# Altium PCB Mouse-Wheel-v2-PCB.PcbDoc
Units mm, origin at the board's own origin, x right, y up, seen from the top; angles counter-clockwise.
Board outline 68.96 x 62.48 mm, 2 copper layers (Top Layer, Bottom Layer); 23 components, 29 nets, 111 pads, 0 vias.
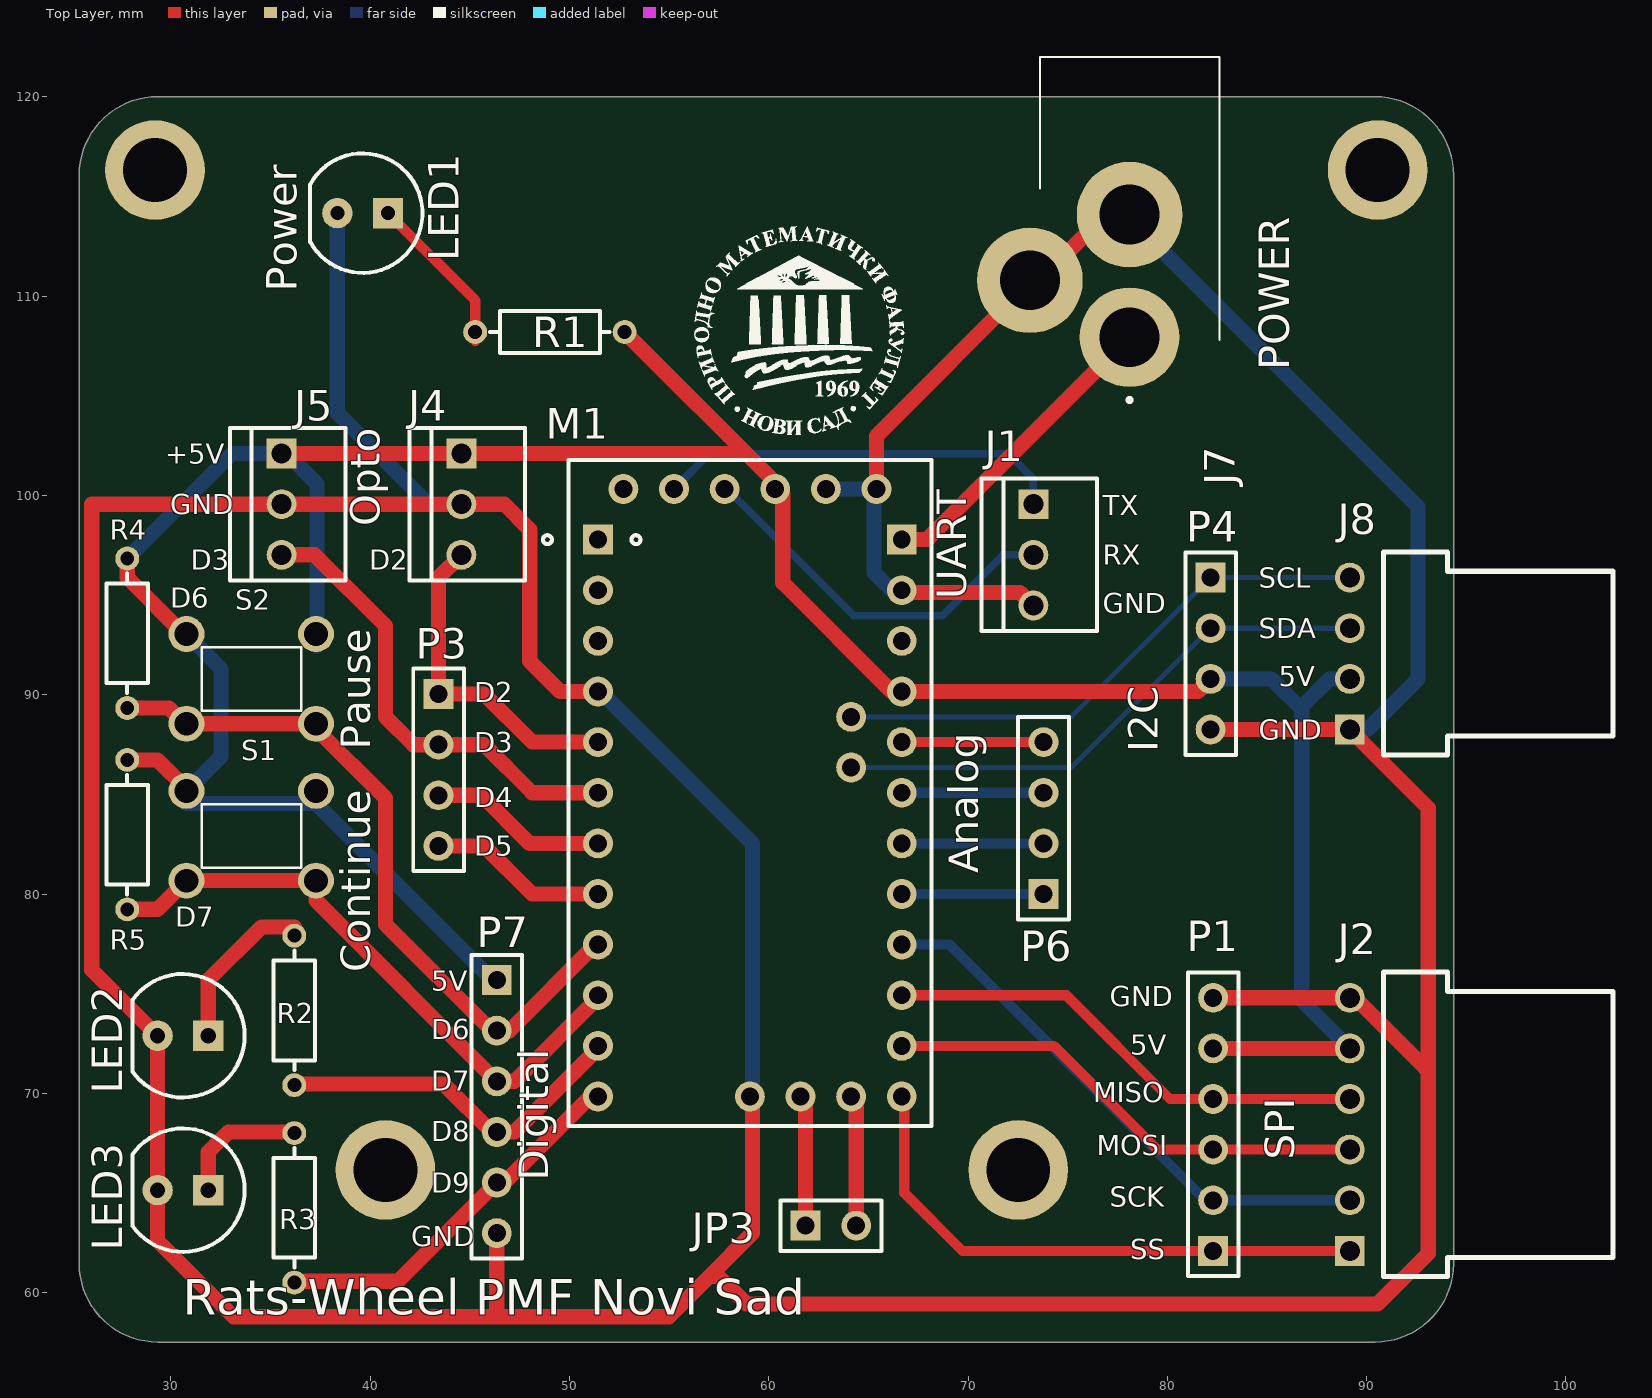
[diagram p0: Top Layer view]
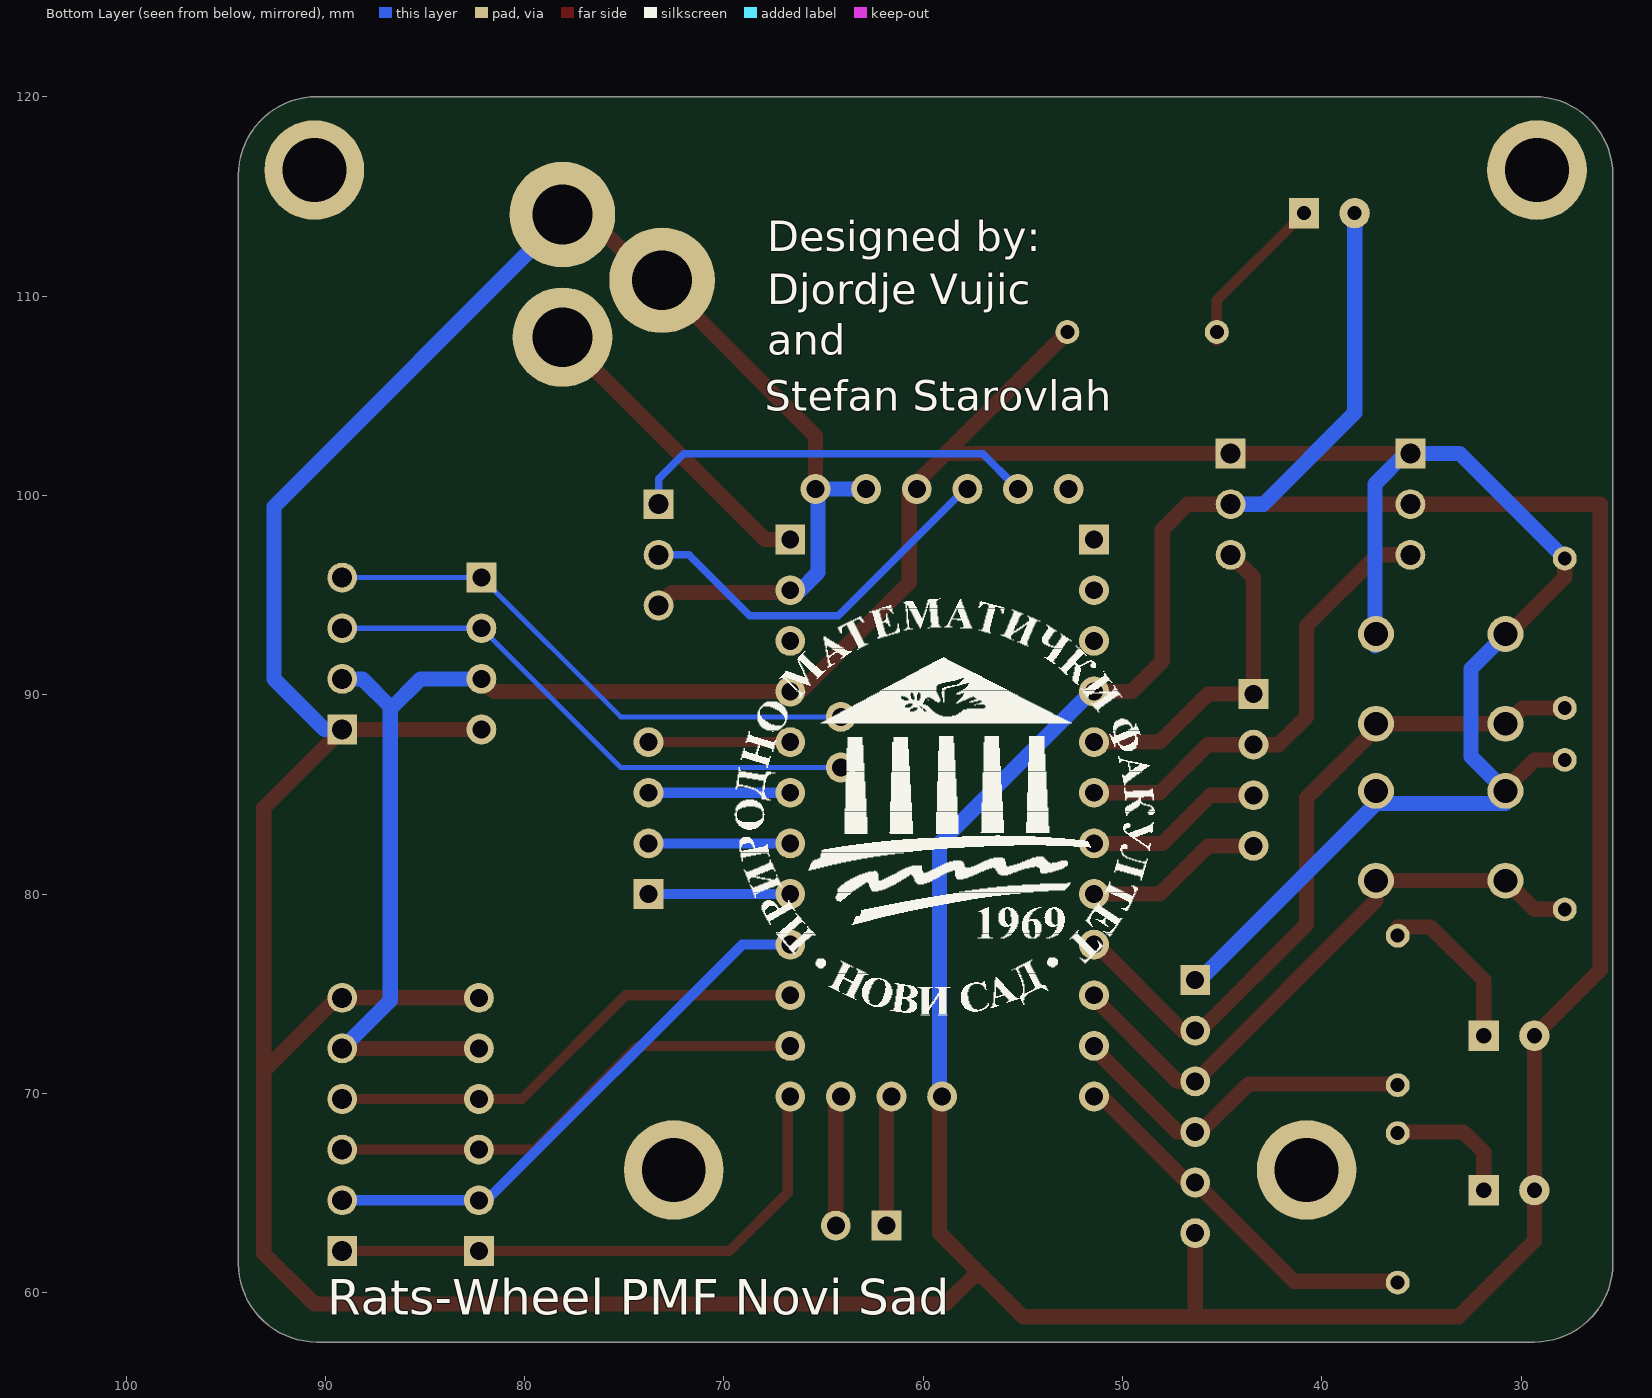
[diagram p1: Bottom Layer view, seen from below]

## Layer stack, top to bottom
Top Solder: solder mask 0.0102, Solder Resist, Dk 3.5
Top Layer: signal copper 0.0356
Dielectric 1: dielectric 0.32, FR-4, Dk 4.8
Bottom Layer: signal copper 0.0356
Bottom Solder: solder mask 0.0102, Solder Resist, Dk 3.5

## Board outline
25.4,61.468 25.4,61.469 25.4,116.076 25.4,116.078 cw(c29.337,116.078) 29.337,120.015 cw(c29.337,119.888) 29.4,119.998 cw(c29.464,119.888) 29.464,120.015 61.341,120.015 90.42,120.015 cw(c90.424,119.888) 90.424,120.015 cw(c90.424,116.078) 94.361,116.078 cw(c94.234,116.078) 94.361,116.075 94.361,61.468 cw(c90.424,61.468) 90.424,57.531 cw(c90.424,57.658) 90.42,57.531 29.342,57.531 cw(c29.337,57.658) 29.337,57.531 cw(c29.337,61.468)
cut-out: 51.689,50.546

## Design rules (kind name [scope] priority, off if disabled: settings)
Clearance [All] p1: gap=0.254 ignorepadtopadclearanceinfootprint=FALSE except(0: Arc-Hole Track-Hole SMDPad-Hole THPad-Hole Via-Hole Fill-Hole Poly-Hole Region-Hole Text-Hole; 0.127: SMDPad-SMDPad)
PolygonConnect [All] p1: connectstyle=Relief reliefconductorwidth=0.254 reliefentries=4 polygonreliefangle="90 Angle" airgapwidth=0.254
RoutingVias [All] p1: holewidth=0.711 width=1.27 viastyle="Through Hole" minholewidth=0.711 minwidth=1.27 maxholewidth=0.711 maxwidth=1.27
SolderMaskExpansion [All] p1: expansion=0.102
Width [All] p1: maxlimit=0.762 minlimit=0.254 preferedwidth=0.508
30 further rules are at their usual default settings.

## Components (designator, comment, footprint, x,y, rotation, side; value= is the part's Value field where it differs from the comment)
J1 "Uart" 61900311121 73.279,97.028 r90 top
J2 "SPI" 61900611021 96.604,68.453 r90 top
J4 "Optocoupler D2" 61900311121 44.577,99.568 r90 top
J5 "Optocoupler D3" 61900311121 35.56,99.568 r90 top
J7 "FC68148_DC10A" FC68148DC10A 76.53,113.35 r90 top
J8 "I2C" 61900411021 96.604,92.075 r90 top
JP3 "Header 2H" HDR1X2 61.849,63.373 r0 top
LED1 "Power" LED 39.624,114.173 r180 top
LED2 "Green" "LED RADIAL 5MM GREEN" 31.877,72.898 r180 top
LED3 "Red" "LED RADIAL 5MM RED" 31.877,65.151 r180 top
M1 "Arduino Pro Mini 5V 16MHz" "Arduino Pro Mini" 51.435,97.79 r0 top
P1 "SPI" HDR1X6 82.296,62.103 r90 top
P3 "Digital pins" HDR1X4 43.434,90.043 r270 top
P4 "I2C" HDR1X4 82.169,95.885 r270 top
P6 "Header 4" HDR1X4 73.787,80.01 r90 top
P7 "Header 6" HDR1X6 46.355,75.692 r270 top
R1 "330" AXIAL-3MM 49.022,108.204 r180 top
R2 "330" AXIAL-3MM 36.195,74.168 r90 top
R3 "330" AXIAL-3MM 36.195,64.262 r90 top
R4 "4k8" AXIAL-3MM 27.813,93.091 r90 top
R5 "4k8" AXIAL-3MM 27.813,82.991 r90 top
S1 "Pause" SW-TACT 34.036,82.931 r180 top
S2 "Continue" SW-TACT 34.036,90.805 r180 top

## Footprints (in the part's own frame and the unit in brackets; to place one, negate y for a bottom-side part, rotate by r counter-clockwise, add the part's x,y. Pads: shape width x height; smd on the part's side, far side on the other; paste and mask are expansions set on the pad)
61900311121 [mm] "2.54mm Male Locking Header, 3p"
  rect 1.5x1.5 hole 1: 1(2.54,0)
  round 1.5 hole 1: 2(0,0) 3(-2.54,0)
  silkscreen extent -3.83,-3.2 3.83,2.6, body extent -3.81,-3.2 3.81,2.6, height 11.55
61900411021 [mm] "2.54mm Male Left Angled Header Bottom Locking, 4p"
  rect 1.5x1.5 hole 1: 1(-3.81,7.45)
  round 1.5 hole 1: 2(-1.27,7.45) 3(1.27,7.45) 4(3.81,7.45)
  silkscreen extent -5.1,-5.75 5.1,5.75, body extent -5.08,-5.75 5.08,7.77, height 5.9
61900611021 [mm] "2.54mm Male Left Angled Header Bottom Locking, 6p"
  rect 1.5x1.5 hole 1: 1(-6.35,7.45)
  round 1.5 hole 1: 2(-3.81,7.45) 3(-1.27,7.45) 4(1.27,7.45) 5(3.81,7.45) 6(6.35,7.45)
  silkscreen extent -7.64,-5.75 7.64,5.75, body extent -7.62,-5.75 7.62,7.77, height 5.9
"Arduino Pro Mini" [mm] "Arduino Pro Mini Module"
  rect 1.5x1.5 hole 0.9: 1(0,0) 24(15.24,0)
  round 1.5 hole 0.9: 2(0,-2.54) 3(0,-5.08) 4(0,-7.62) 5(0,-10.16) 6(0,-12.7) 7(0,-15.24) 8(0,-17.78) 9(0,-20.32) 10(0,-22.86) 11(0,-25.4) 12(0,-27.94) 13(15.24,-27.94) 14(15.24,-25.4) 15(15.24,-22.86) 16(15.24,-20.32) 17(15.24,-17.78) 18(15.24,-15.24) 19(15.24,-12.7) 20(15.24,-10.16) 21(15.24,-7.62) 22(15.24,-5.08) 23(15.24,-2.54) 25(13.97,2.54) 26(11.43,2.54) 27(8.89,2.54) 28(6.35,2.54) 29(3.81,2.54) 30(1.27,2.54) 31(7.62,-27.94) 32(10.16,-27.94) 33(12.7,-27.94) 34(12.7,-11.43) 35(12.7,-8.89)
  silkscreen extent -2.76,-29.41 16.73,3.99, body extent -1.78,-29.7 16.82,4.3, height 20.1
AXIAL-3MM [mm] "Axial Device, Thru-Hole; 2 Leads; 3.3mm in Pin Spacing"
  round 1.2 hole 0.7: 1(-3.75,0) 2(3.75,0)
  silkscreen extent -3,-1.05 3,1.05, body extent -4.75,-1.2 4.75,1.2, height 0.25
FC68148DC10A [mm]
  round 5 hole 3: 1(-5.4,-1.575)
  round 5.3 hole 3: 2(-2.55,3.425) 3(0.75,-1.575)
  silkscreen extent -8.65,-6.07 8.65,2.93
HDR1X2 [mm] "Connector; Header; 2 Position"
  rect 1.5x1.5 hole 0.9: 1(0,0)
  round 1.5 hole 0.9: 2(2.54,0)
  silkscreen extent -1.27,-1.27 3.81,1.27, body extent -1.27,-1.27 3.81,1.27, height 8.44
HDR1X4 [mm] "Connector; Header; 4 Position"
  rect 1.5x1.5 hole 0.9: 1(0,0)
  round 1.5 hole 0.9: 2(2.54,0) 3(5.08,0) 4(7.62,0)
  silkscreen extent -1.27,-1.27 8.89,1.27, body extent -1.27,-1.26 8.89,1.24, height 8.4
HDR1X6 [mm] "Connector; Header; 6 Position"
  rect 1.5x1.5 hole 0.9: 1(0,0)
  round 1.5 hole 0.9: 2(2.54,0) 3(5.08,0) 4(7.62,0) 5(10.16,0) 6(12.7,0)
  silkscreen extent -1.27,-1.27 13.97,1.27, body extent -1.27,-1.27 13.97,1.27, height 8.5
LED [mil]
  rect 60x60 hole 27.56: 1(-50,0)
  round 60 hole 27.56: 2(50,0)
  silkscreen extent -118,-118 104,118, body extent -118,-118 98,118, height 352
"LED RADIAL 5MM GREEN" [mil] "LED RADIAL 5MM THROUGH HOLE 100 MILS PITCH"
  rect 60x60 hole 30: 1(0,0)
  round 60 hole 30: 2(100,0)
  silkscreen extent -72,-122 150,122, body extent -68,-118 148,118, height 352
"LED RADIAL 5MM RED" [mil] "LED RADIAL 5MM THROUGH HOLE 100 MILS PITCH"
  rect 60x60 hole 30: 1(0,0)
  round 60 hole 30: 2(100,0)
  silkscreen extent -72,-122 150,122, body extent -68,-118 148,118, height 352
SW-TACT [mm] "SWITCH TACT 6MM MOM 150GF PTH"
  round 1.8 hole 1.19: 1(-3.25,-2.25) 2(3.25,-2.25) 3(3.25,2.25) 4(-3.25,2.25)
  silkscreen extent -2.52,-1.58 2.49,1.6, body extent -4.12,-3.26 4.15,3.24, height 9

## Part data
J1 J4 J5: library part 61900311121, "WR-WTB 2.54mm Male Locking Header, 3p", ComponentLink1Description=Manufacturer, ComponentLink1URL=http://www.we-online.de, ComponentLink2Description=Datasheet, ComponentLink2URL=http://katalog.we-online.de/em/datasheet/6190xx11121.pdf, Part Number=61900311121, Pin Number=3, Pitch="2.54 mm", Published Date="June 2017", Publisher="Wurth Elektronik"
J2: library part 61900611021, "WR-WTB 2.54mm Male Left Angled Header Bottom Locking, 6p", ComponentLink1Description=Manufacturer, ComponentLink1URL=http://www.we-online.de, ComponentLink2Description=Datasheet, ComponentLink2URL=http://katalog.we-online.de/em/datasheet/6190xx11021.pdf, Part Number=61900611021, Pin Number=6, Pitch="2.54 mm", Published Date="June 2017", Publisher="Wurth Elektronik"
J7: "CLIFF ELECTRONIC COMPONENTS - FC68148 DC10A - SOCKET, PCB, DC POWER, 2.1MM, PK10", Arrow Part Number="FC68148 DC10A", Manufacturer_Name="CLIFF ELECTRONIC COMPONENTS", Datasheet Link=http://www.cliffuk.co.uk/products/dcconnectors/FC68148.pdf, Geometry.Height=11mm, Manufacturer_Part_Number="FC68148 DC10A"
J8: library part 61900411021, "WR-WTB 2.54mm Male Left Angled Header Bottom Locking, 4p", ComponentLink1Description=Manufacturer, ComponentLink1URL=http://www.we-online.de, ComponentLink2Description=Datasheet, ComponentLink2URL=http://katalog.we-online.de/em/datasheet/6190xx11021.pdf, Part Number=61900411021, Pin Number=4, Pitch="2.54 mm", Published Date="June 2017", Publisher="Wurth Elektronik"
JP3: "Header, 2-Pin, Right Angle", LatestRevisionDate=17-Jul-2002, LatestRevisionNote="Re-released for DXP Platform.", Publisher="Altium Limited"
LED1: library part LED, "Typical RED, GREEN, YELLOW, AMBER GaAs LED", LatestRevisionDate=17-Jul-2002, LatestRevisionNote="Re-released for DXP Platform.", PackageDescription="SM LED; 2 Flat Leads", PackageReference=3.2X1.6X1.1, PackageVersion=Feb-2002, Published=8-Jun-2000, Publisher="Altium Limited"
LED2: library part "LED RADIAL 5MM GREEN", "LED RADIAL", Supplier Part Number 1=C503B-RCN-CW0Z0AA1-ND, Supplier 1=Digi-Key
LED3: library part "LED RADIAL 5MM RED", "LED RADIAL", Supplier Part Number 1=C503B-RCN-CW0Z0AA1-ND, Supplier 1=Digi-Key
P1: library part "Header 6", "Header, 6-Pin", LatestRevisionDate=17-Jul-2002, LatestRevisionNote="Re-released for DXP Platform.", Publisher="Altium Limited"
P3 P4: library part "Header 4", "Header, 4-Pin", LatestRevisionDate=17-Jul-2002, LatestRevisionNote="Re-released for DXP Platform.", Publisher="Altium Limited"
P6: "Header, 4-Pin", LatestRevisionDate=17-Jul-2002, LatestRevisionNote="Re-released for DXP Platform.", Publisher="Altium Limited"
P7: "Header, 6-Pin", LatestRevisionDate=17-Jul-2002, LatestRevisionNote="Re-released for DXP Platform.", Publisher="Altium Limited"
R1 R2 R3 R4 R5: library part Res1, "Resistor", LatestRevisionDate=17-Jul-2002, LatestRevisionNote="Re-released for DXP Platform.", PackageDescription="Axial Device, Thru-Hole; 2 Leads; 0.3 in Pin Spacing", PackageReference=AXIAL-0.3, Published=8-Jun-2000, Publisher="Altium Limited"
S1 S2: library part SW-PB, "B3F-1002 SWITCH TACT 6MM MOM 150GF", LatestRevisionDate=17-Jul-2002, LatestRevisionNote="Re-released for DXP Platform.", PackageReference=SPST-2, Published=24-Mar-1999, Publisher="Altium Limited"

## Free pads (board coordinates)
  round 5 hole 3.2 unplated: 5(29.21,116.332) 5(40.767,66.167) 5(72.517,66.167) 5(90.551,116.332)

## Nets (pads, with @x,y where several pads share a name; then routed paths per layer and width w, separated by ;. In a path a pad name is that pad's centre, name@x,y a point inside that pad or via, vN(x,y) a via of type N, cw(c..) or ccw(c..) an arc to the next point about the centre after c; other vN are vias at no path point)
+5V: J2.5 J4.1 J5.1 J8.2 M1.21 M1.27 P1.5 P4.3 P7.1 R1.1 R4.2 R5.2 S1.1 S1.2 S2.1 S2.2 | length 154.1
  Top Layer w0.762: R5.2 29.337,86.741 S1.2@30.861,85.217 ; R4.2 27.813,95.885 S2.2@30.734,92.964 ; J5.1 J4.1 58.674,102.108 ; R1.1 60.325,100.651 M1.27 ; M1.27@60.389,100.393 60.706,100.076 60.706,95.631 66.167,90.17 M1.21 81.534,90.17 P4.3 ; P1.5 89.027,72.263 J2.5@89.154,72.136
  Bottom Layer w0.762: R4.2 33.08,102.108 J5.1 35.814,102.108 37.338,100.584 S2.1@37.338,92.456 ; S2.2@30.734,93.091 32.512,91.313 32.512,86.907 S1.2 ; S1.2@30.786,84.546 37.286,84.546 46.14,75.692 P7.1 ; P4.3 85.217,90.805 86.741,89.281 ; J2.5 86.741,74.676 86.741,89.281 ; J8.2 88.138,90.805 86.741,89.408 86.741,89.281
AN0: M1.17 P6.1 | length 7.1
  Bottom Layer w0.508: M1.17 P6.1
AN1: M1.18 P6.2 | length 7.1
  Bottom Layer w0.508: M1.18 P6.2
AN2: M1.19 P6.3 | length 7.1
  Bottom Layer w0.508: M1.19 P6.3
AN3: M1.20 P6.4 | length 7.1
  Top Layer w0.508: M1.20 P6.4
AN6: JP3.1 M1.32 | length 6.5
  Top Layer w0.762: M1.32@61.722,69.85 61.849,69.723 JP3.1
D2: J4.3 M1.5 P3.1 | length 16.6
  Top Layer w0.762: J4.3 43.434,95.885 P3.1 45.72,90.043 48.133,87.63 M1.5@51.562,87.63
D3: J5.3 M1.6 P3.2 | length 23.6
  Top Layer w0.762: J5.3 37.211,97.028 40.767,93.472 40.767,88.9 42.164,87.503 P3.2 45.72,87.503 48.133,85.09 M1.6 M1.6@51.562,85.09
D4: M1.7 P3.3 | length 9.1
  Top Layer w0.762: P3.3 45.593,84.963 48.006,82.55 M1.7@51.562,82.55
D5: M1.8 P3.4 | length 9.1
  Top Layer w0.762: P3.4 45.72,82.423 48.133,80.01 M1.8@51.562,80.01
D6: M1.9 P7.2 R4.1 S2.3 S2.4 | length 35.9
  Top Layer w0.762: R4.1 29.912,89.341 S2.3@30.734,88.519 ; S2.3 S2.4 37.302,88.555 S2.4@37.338,88.519 ; S2.4@37.286,88.301 40.767,84.82 40.767,78.486 46.101,73.152 P7.2 46.99,73.152 51.308,77.47 M1.9@51.562,77.47
D7: M1.10 P7.3 R5.1 S1.3 S1.4 | length 30.8
  Top Layer w0.762: R5.1 29.33,79.241 S1.3@30.734,80.645 ; S1.3 37.12,80.681 S1.4@37.211,80.772 ; S1.4 37.286,79.681 P7.3 47.244,70.612 M1.10@51.562,74.93
D8: M1.11 P7.4 R2.1 | length 18.2
  Top Layer w0.762: R2.1@36.195,70.358 36.322,70.485 43.688,70.485 46.101,68.072 P7.4 47.244,68.072 M1.11@51.562,72.39
D9: M1.12 P7.5 R3.1 | length 18.8
  Top Layer w0.762: R3.1@36.576,60.579 41.402,60.579 P7.5 46.736,65.532 51.054,69.85 M1.12 M1.12@51.562,69.85
DTR: M1.30
GND: J1.3 J2.6 J4.2 J5.2 J7.2 J7.3 J8.1 LED1.2 LED2.2 LED3.2 M1.4 M1.23 M1.25 M1.26 M1.31 P1.6 P4.4 P7.6 | length 311.8
  Top Layer w0.762: J4.2@44.577,99.314 44.323,99.568 J5.2 26.035,99.568 26.035,76.2 LED2.2 LED3.2 29.337,62.611 33.147,58.801 46.355,58.801 ; J4.2 46.736,99.568 48.006,98.298 48.006,91.694 49.53,90.17 M1.4 M1.4@51.562,90.17 ; P7.6 46.355,58.801 ; M1.31@59.182,69.85 59.182,62.992 57.023,60.833 ; M1.25 65.405,102.997 72.898,110.49 J7.2@72.898,110.744 ; M1.23@66.802,95.25 66.911,95.141 72.612,95.141 73.265,94.488 J1.3 ; J7.2@73.025,110.617 J7.2@73.025,110.744 ; J7.2@73.152,110.363 76.889,114.1 J7.3 ; P4.4 J8.1 93.091,84.328 93.091,61.976 90.551,59.436 58.877,59.436 57.48,60.833 57.023,60.833 ; P1.6 89.027,74.803 J2.6@89.154,74.93 ; J2.6 89.408,74.803 92.964,71.247 ; 46.355,58.801 54.991,58.801 57.023,60.833
  Bottom Layer w0.762: LED1.2 38.354,104.14 42.926,99.568 J4.2 ; M1.4@51.562,90.17 59.182,82.55 M1.31@59.182,69.85 ; M1.26@62.992,100.33 M1.25 65.532,100.33 65.278,100.076 65.278,96.139 66.167,95.25 M1.23 M1.23@66.802,95.25 ; J7.3@77.978,114.046 92.583,99.441 92.583,90.805 90.043,88.265 J8.1
I2C_SCL: J8.4 M1.35 P4.1 | length 27.8
  Bottom Layer w0.254: M1.35@64.262,88.9 75.184,88.9 P4.1 J8.4
I2C_SDA: J8.3 M1.34 P4.2 | length 27.8
  Bottom Layer w0.254: M1.34@64.262,86.36 75.184,86.36 P4.2 89.027,93.345 J8.3@89.154,93.218
NetJP3_2: JP3.2 M1.33 | length 6.5
  Top Layer w0.762: M1.33@64.262,69.85 64.389,69.723 JP3.2
NetLED1_1: LED1.1 R1.2 | length 8.2
  Top Layer w0.508: LED1.1 45.272,109.795 R1.2 R1.2@45.272,107.756
NetLED2_1: LED2.1 R2.2 | length 8.2
  Top Layer w0.762: LED2.1 31.877,75.692 34.544,78.359 R2.2@36.195,78.359
NetLED3_1: LED3.1 R3.2 | length 6.1
  Top Layer w0.762: LED3.1 31.877,67.056 32.893,68.072 R3.2@35.687,68.072
RAW: J7.1 M1.24 | length 15.6
  Top Layer w0.762: M1.24@66.802,97.79 67.945,97.79 J7.1 J7.1@78.105,107.823
RX: J1.2 M1.28 | length 19.3
  Bottom Layer w0.381: M1.28@57.912,100.33 64.262,93.98 68.707,93.98 71.755,97.028 J1.2
SPI_MISO: J2.4 M1.15 P1.4 | length 24.5
  Top Layer w0.508: M1.15@66.802,74.93 74.93,74.93 80.137,69.723 P1.4 J2.4
SPI_MOSI: J2.3 M1.14 P1.3 | length 24.6
  Top Layer w0.508: M1.14@66.802,72.39 74.295,72.39 79.502,67.183 P1.3 J2.3 J2.3@89.281,67.183
SPI_S\S\: J2.1 M1.13 P1.1 | length 28.4
  Top Layer w0.508: M1.13@66.802,69.85 66.802,65.024 69.723,62.103 P1.1 J2.1
SPI_SCK: J2.2 M1.16 P1.2 | length 27.7
  Bottom Layer w0.508: M1.16@66.802,77.47 69.088,77.47 81.915,64.643 P1.2 J2.2
TX: J1.1 M1.29 | length 20.6
  Bottom Layer w0.381: M1.29@55.372,100.33 55.372,100.457 57.023,102.108 72.009,102.108 73.279,100.838 73.279,99.822 J1.1@73.025,99.568
pads on no net: M1.1 M1.2 M1.3 M1.22

## Silkscreen, mask and mechanical layers (free items; w line width, h text height)
Top Overlay:
  drawing of 5898 lines, arcs and shapes, not listed
  text "POWER" at 86.106,106.299 h1.52 r90
  text "+5V" at 29.718,101.6 h1
  text "GND" at 29.972,99.06 h1
  text "TX" at 76.759,99.009 h1.02
  text "Opto" at 40.996,98.45 h2.54 r90
  text "RX" at 76.759,96.52 h1.02
  text "D3" at 30.988,96.291 h1.02
  text "D2" at 39.954,96.291 h1.02
  text "SCL" at 84.582,95.377 h1.02
  text "UART" at 70.409,94.793 h2.54 r90
  text "D6" at 29.972,94.361 h1.02
  text "GND" at 76.759,94.107 h1.02
  text "SDA" at 84.582,92.837 h1.02
  text "5V" at 85.598,90.424 h1.02
  text "D2" at 45.212,89.637 h1.02
  text "GND" at 84.582,87.757 h1.02
  text "Pause" at 40.513,87.249 h2.54 r90
  text "D3" at 45.212,87.122 h1.02
  text "I2C" at 80.01,87.122 h2.54 r90
  text "D4" at 45.212,84.353 h1.02
  text "D5" at 45.212,81.94 h1.02
  text "Analog" at 71.018,81.051 h2.54 r90
  text "D7" at 30.226,78.359 h1.02
  text "Continue" at 40.513,76.073 h2.54 r90
  text "5V" at 43.078,75.159 h1.02
  text "GND" at 77.123,74.371 h1.02
  text "D6" at 43.078,72.72 h1.02
  text "5V" at 78.138,71.933 h1.02
  text "D7" at 43.078,70.129 h1.02
  text "MISO" at 76.276,69.571 h1.02
  text "D8" at 43.078,67.615 h1.02
  text "MOSI" at 76.445,66.904 h1.02
  text "SPI" at 86.868,66.675 h2.54 r90
  text "Digital" at 49.428,65.634 h2.54 r90
  text "D9" at 43.078,65.024 h1.02
  text "SCK" at 77.123,64.313 h1.02
  text "GND" at 42.063,62.332 h1.02
  text "SS" at 78.138,61.697 h1.02
  text "Rats-Wheel PMF Novi Sad" at 30.607,58.293 h3.05
Bottom Overlay:
  drawing of 2949 lines, arcs and shapes, not listed
  text "Designed by:" at 67.818,112.268 h1.52
  text "Djordje Vujic" at 67.818,109.601 h1.52
  text "and" at 67.818,107.061 h1.52
  text "Stefan Starovlah" at 67.945,104.267 h1.52
  text "Rats-Wheel PMF Novi Sad" at 89.916,58.293 h3.05
Mechanical 1:
  lines w0.254: 25.527,61.214 25.527,116.205 ; 25.527,61.468 ccw(c29.337,61.468) 29.337,57.658 ; 25.527,116.078 cw(c29.337,116.078) 29.337,119.888 ; 29.21,57.658 90.678,57.658 ; 29.464,119.888 61.341,119.888 90.551,119.888 ; 90.424,57.658 ccw(c90.424,61.468) 94.234,61.468 ; 94.234,61.214 94.234,116.332 ; 94.234,116.078 ccw(c90.424,116.078) 90.424,119.888 ; 90.424,119.888 90.424,119.888